# Altium PCB EVK-NORA-W1.PcbDoc (part 4 of 4)
Units mil, origin at the board's own origin, x right, y up, seen from the top; angles counter-clockwise.
Board outline 4300 x 2200 mil, 4 copper layers (L1, L2, L3, L4), stack 60.631 mil thick; 303 components, 180 nets, 998 pads, 676 vias.
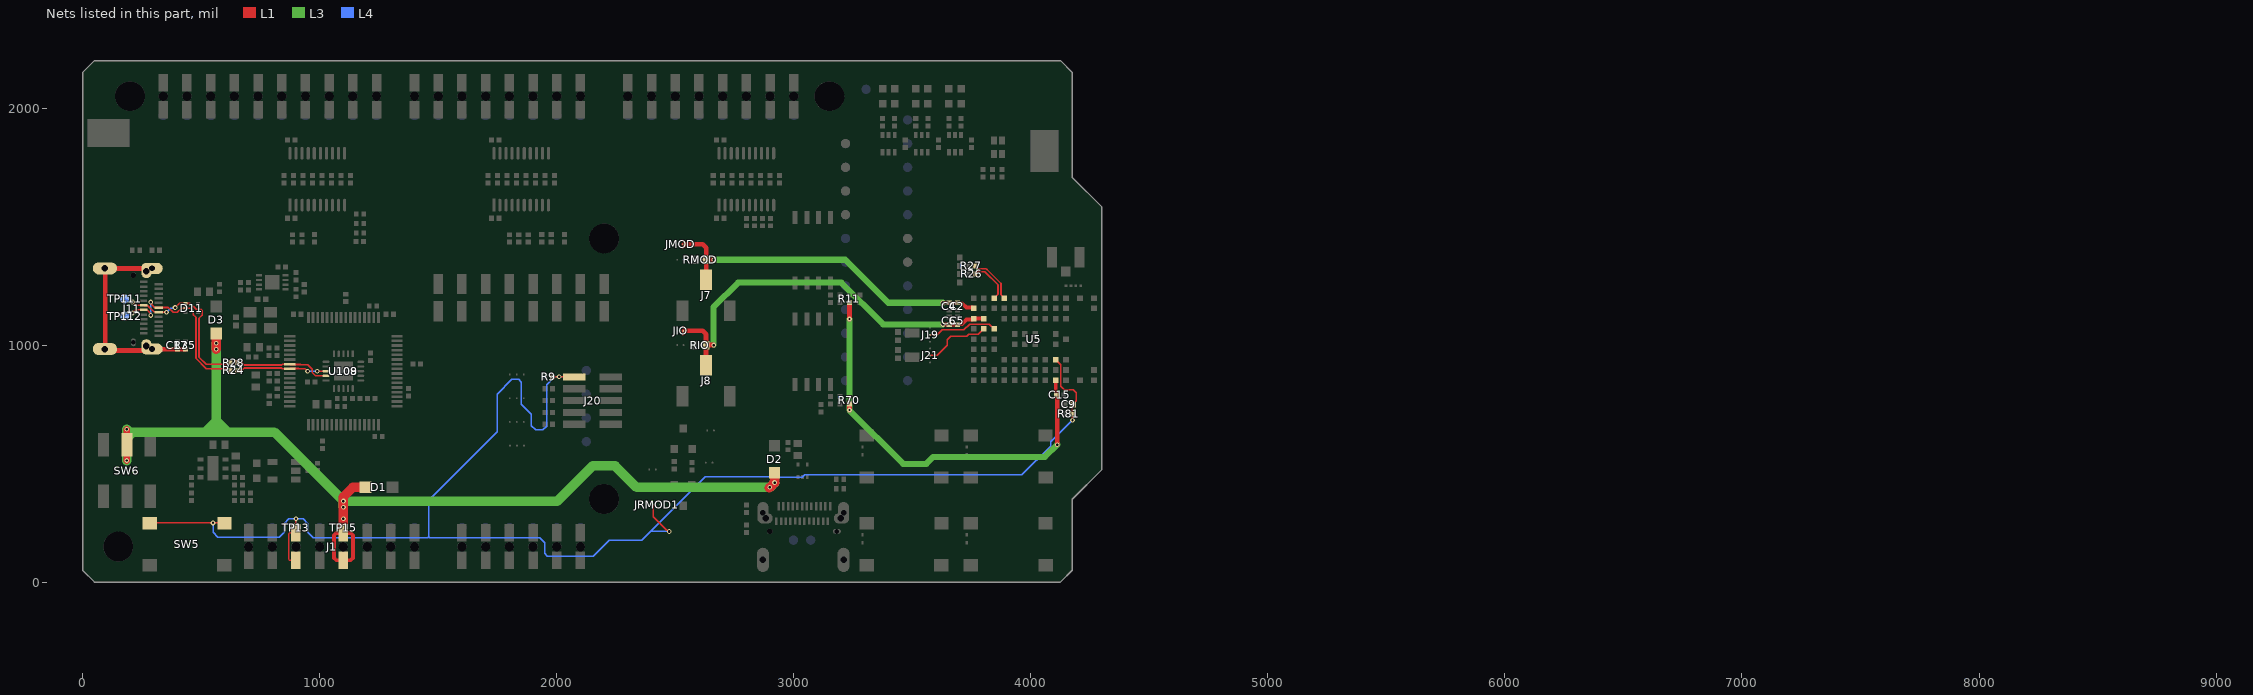
[diagram p6: the nets of this part, all layers, seen from the top]

## Via types
v1: diameter 20, hole 10, L1 to L4, 454 vias
v2: diameter 20, hole 10, L1 to L4, tented both sides, 203 vias
v3: diameter 19.68/19.68/19.68/19.68 (per signal layer), hole 11.81, L1 to L4, 19 vias

## Nets (pads, with @x,y where several pads share a name; then routed paths per layer and width w, separated by ;. In a path a pad name is that pad's centre, name@x,y a point inside that pad or via, vN(x,y) a via of type N, cw(c..) or ccw(c..) an arc to the next point about the centre after c; other vN are vias at no path point) (continued)
RESETn: C9.1 J1.3 J20.10 JRMOD1.1 R9.2 R81.1 SW5.1 SW5.2 TP13.1 U5.J3 | length 6690
  L1 w5.91: SW5.1@282.52,248.58 283.94,250 v2(550,250) 596.06,250 SW5.2@597.48,248.58 ; J1.3@900,92.32 872.46,92.32 869,95.78 869,204.22 872.46,207.68 J1.3@900,207.68 v1(900,267) ; R9.2@1981.75,866 v1(2010,866) J20.10@2074.23,866 ; JRMOD1.1@2407,327 2407,276 2464.68,218.32 2466.95,218.32 2471.27,214 v3(2475,214) ; U5.J3@4104.92,938.39 4126.82,916.48 4126.82,827.18 4142,812 4178,812 4192,798 4192,764.28 4175.75,748.03 R81.1@4175.75,710 v1(4175.75,683)
  L4 w5.91: v2(550,250) 550,210 571,189 829,189 850,210 850,247 870,267 v1(900,267) ; TP13.1@900,230.32 v1(900,267) ; v1(2010,866) 1989.78,866 1957,833.22 1957,657 1942,642 1911.14,642 1892.81,660.33 1892.81,708.56 1851,750.37 1851,843.77 1839.77,855 1811,855 1748.06,792.06 1748.06,634.05 1460,346 1460,191 ; v3(2475,214) 2396,214 ; v1(4175.75,683) 4084,591.25 4084,574.3 3962.56,452.86 3046.86,452.86 3036.28,442.28 2931.72,442.28 2930,444 2626,444 2396,214 ; v1(900,267) 930,267 950,247 950,210 973,187 1456,187 1460,191 ; 1460,191 1464,187 1929,187 1950,166 1950,121 1961,110 2154,110 2221,177 2359,177 2396,214
RMODUSB-D_n: R27.2 U5.D9 | length 207.9
  L1 w7: R27.2@3764.75,1334 3764.75,1333.41 3771.48,1326.67 3772.07,1326.67 3776.06,1322.69 3811.24,1322.69 3814.93,1319 3874.25,1259.68 3874.25,1212.36 U5.D9@3888.39,1198.23
RMODUSB-D_p: R26.2 U5.C9 | length 185.6
  L1 w7: R26.2@3765.75,1300 3765.75,1300.59 3772.48,1307.33 3774.23,1307.33 3776.58,1309.69 3805.86,1309.69 3861.25,1254.29 3861.25,1214.4 U5.C9@3845.08,1198.23
RUSB-D_n: R28.1 U108.7 U109.9 | length 406.8
  L1 w7: R28.1@653.75,926 672,926 681.82,916.18 839.5,916.18 842.85,919.53 U108.7@873.62,919.53 874.88,918.27 918.86,918.27 920.12,917.01 949.43,917.01 968.41,898.04 968.41,884.15 982.24,870.32 U109.9@1026.56,870.32
RUSB-D_p: R24.1 U108.8 U109.8 | length 383.5
  L1 w7: R24.1@653.75,893 672,893 682.18,903.18 839.32,903.18 842.66,899.84 U108.8@873.62,899.84 874.88,901.1 911.75,901.1 913,899.84 938.4,899.84 948.24,890 v1(949,890) ; v1(990,890) U109.8@1026.56,890
  L4 w7: v1(949,890) v1(990,890)
SHIELD: C17.2 J11.SHLD R35.1 | length 873.8
  L1 w20: J11.SHLD@93.92,983.28 95.53,984.89 95.53,1321.82 93.92,1323.43 J11.SHLD@292.74,1323.43 ; J11.SHLD@105.08,983.28 111,977.35 257.79,977.35 J11.SHLD@263.71,983.28 ; J11.SHLD@269.12,996.26 281.91,983.46 J11.SHLD@292.74,983.46 293.61,982.6 C17.2@399.43,982.6 R35.1@433.43,982.6
USB-D_n: D11.1 J11.A7 J11.B7 R28.2 TP111.1 | length 726.6
  L1 w7: v1(210,1181.46) 223.16,1168.31 J11.B7@257.31,1168.31 ; J11.B7@257.31,1168.12 259.12,1166.3 275.05,1166.3 300.95,1140.41 318.48,1140.41 320.3,1138.59 v1(354,1138.59) ; v1@390,1159.2 v1(390,1158.28) 407.41,1175.68 D11.1@433.43,1175.68 454.62,1175.68 478.68,1151.63 499.33,1151.63 504.84,1146.12 504.84,1126.51 499.33,1121 498.04,1121 491,1113.96 491,949.38 521.38,919 615.52,919 622.25,925.74 R28.2@622.25,926
  L4 w7: TP111.1@177.16,1194.88 v1(210,1181.46) ; v1(354,1138.59) 371.2,1155.79 387.51,1155.79 v1(390,1158.28)
USB-D_p: D11.2 J11.A6 J11.B6 R24.2 TP112.1 | length 772.2
  L1 w7: v1(210,1135.46) 223.16,1148.62 J11.B6@257.31,1148.62 ; J11.B6@257.31,1148.43 259.12,1146.62 273.74,1146.62 285.33,1135.02 285.33,1127.84 v1(287.82,1125.35) ; v1(287.82,1181.35) 290.31,1178.87 290.31,1172 302.21,1160.09 318.48,1160.09 320.3,1158.28 361.76,1158.28 381.73,1138.31 399.1,1138.31 416.79,1156 D11.2@433.43,1156 455.31,1156 467,1144.31 467,1127.82 473.82,1121 473.9,1121 478,1116.9 478,944 522,900 615.52,900 622.25,893.26 R24.2@622.25,893
  L4 w7: TP112.1@177.16,1122.05 v1(210,1135.46) ; v1(287.82,1125.35) v1(287.82,1181.35)
VBUS: D1.C D2.C D3.C J1.5 SW6.2 TP15.1 | length 4560.7
  L1 w16: 1060,102 1060,197.63 1070.05,207.68 J1.5@1100,207.68 1130.32,207.68 1140,198 1140,101.78 1130.54,92.32 J1.5@1100,92.32 1069.68,92.32 1060,102
  L1 w28: v1(186.61,513) SW6.2@186.61,578.94 v1(186.61,645)
  L1 w40: v1(564,982) v1(564,1008) D3.C@564,1048.91 ; J1.5@1100,207.68 v1(1100,267) v1(1100,316) v1(1100,342) 1100,360.22 1139.78,400 D1.C@1192.91,400 ; v1@2897,398.27 2897.27,398.27 v1(2899,400) v1(2919,420) D2.C@2919,460.91
  L3 w40: v1(186.61,513) 186.61,607.61 ; v1(564,1008) 564,680 ; v1@1100,318 v1(1100,342) ; v1(2919,420) v1(2899,400) 2337,400 2246.5,490.5 2191,490.5 2151,490.5 2002.5,342 v1(1100,342) ; 186.61,607.61 v1(186.61,645) 198.61,633 212,633 ; 186.61,607.61 212,633 ; 212,633 517,633 ; 517,633 564,680 ; 517,633 611,633 ; 564,680 611,633 ; 611,633 809,633 v1(1100,342)
  L4 w10: TP15.1@1100,225 TP15.1@1100,230.32 v1(1100,267)
VDD: C2.1 C4.1 J7.2 JMOD.1 RMOD.2 U5.A8 | length 1449.8
  L1 w16: JMOD.1@2535,1425 2541.87,1425 ; J7.2@2630,1274.96 J7.2@2630.59,1275.55 ; v1(3629,1178.75) C4.1@3656,1178.75 C2.1@3690,1178.75 3692.24,1176.51 3710.49,1176.51 3729,1158 3755.39,1158 U5.A8@3758.46,1154.92
  L1 w20: 2541.87,1425 2615.4,1425 2630.59,1409.81 RMOD.2@2630.59,1360 ; J7.2@2630.59,1275.55 RMOD.2@2630.59,1360 ; v1(2662,1360) RMOD.2@2630.59,1360
  L3 w26: v1(2662,1360) 3217,1360 3398.25,1178.75 v1(3629,1178.75)
VDD-IO: C5.1 C6.1 J8.2 JIO.1 RIO.2 U5.A7 U5.B7 | length 1691
  L1 w16: JIO.1@2535,1060 2541.87,1060 ; v1(3629,1087.25) C6.1@3656,1087.25 C5.1@3690,1087.25 3692.24,1089.49 3710.49,1089.49 3729,1108 3754.85,1108 U5.A7@3758.46,1111.61 U5.B7@3801.77,1111.61
  L1 w20: 2541.87,1060 2615.4,1060 2630,1045.4 2630,1000.41 RIO.2@2629.59,1000 ; J8.2@2630,914.96 2630,999.59 RIO.2@2629.59,1000 ; v1(2662,1000) RIO.2@2629.59,1000
  L3 w26: v1(2662,1000) 2662,1161 2765,1264 3201,1264 3377.75,1087.25 v1(3629,1087.25)
VDD-SPI: C15.1 R11.1 R70.1 U5.J1 | length 1760.4
  L1 w16: C15.1@4104.92,787.83 U5.J1@4104.92,851.77
  L1 w20: v1(3235,726) R70.1@3235,752.25 ; v1(3235,1110) R11.1@3235,1180.25 ; C15.1@4107.25,790 4107.49,789.76 4107.49,782.84 4111.59,778.74 v1(4111.59,580)
  L3 w26: v1(3235,1110) v1(3235,726) 3462,499 3559,499 3588,528 4059.59,528 v1(4111.59,580)
XT-32k-n: J21.2 U5.B6 | length 286.5
  L1 w5.91: J21.2@3575,956.53 3604.59,956.53 3648,999.94 3648,1022.59 3661.99,1036.58 3730,1036.58 3739.09,1045.67 3773.94,1045.67 3774.09,1045.52 3778.99,1045.52 U5.B6@3801.77,1068.31
XT-32k-p: J19.2 U5.C6 | length 297.5
  L1 w5.91: J19.2@3575,1043.47 3604.59,1043.47 3626.11,1065 3717.62,1065 3741.6,1088.98 3824.41,1088.98 U5.C6@3845.08,1068.31
pads on no net: D11.4 D14.4 J11.26 J11.A2 J11.A3 J11.A8 J11.A10 J11.A11 J11.B2 J11.B3 J11.B8 J11.B10 J11.B11 J14.26 J14.A2 J14.A3 J14.A8 J14.A10 J14.A11 J14.B2 J14.B3 J14.B8 J14.B10 J14.B11 J20.7 SW6.3 SW6.4 SW6.5 SW6.6 TP601.1 TP602.1 TP604.1 TP606.1 TP608.1 TP610.1 TP611.1 TP613.1 TP615.1 TP616.1 TP617.1 TP618.1 TP619.1 TP620.1 TP621.1 TP622.1 TP623.1 TP624.1 U5.A4 U5.B5 U5.B9 U5.C5 U5.D7 U5.G4 U5.G5 U5.G7 U5.J4 U5.J5 U5.J7 U5.K1 U6.4 U101.7 U107.7 U108.21 U108.24 U108.33 U108.34 U108.36 U108.45 U108.46 U108.60 U109.2 U109.5 U109.7 U109.14 U109.15
copper on no net: | length 8120
  L1 w7.87: 8051.71,845.48 8971.71,845.48 8971.71,940.48 8051.71,940.48 8051.71,845.48
  L2 w7.87: 8051.71,725.48 8971.71,725.48 8971.71,820.48 8051.71,820.48 8051.71,725.48
  L3 w7.87: 8051.71,605.48 8971.71,605.48 8971.71,700.48 8051.71,700.48 8051.71,605.48
  L4 w7.87: 8051.71,490.48 8971.71,490.48 8971.71,585.48 8051.71,585.48 8051.71,490.48
  other v2: 2540,1270

## Polygon pours and split planes (outlines as drawn)
GND on L2 "GND_L02_P-001" (solid, remove dead copper, pour order 1): 0,2150 50,2200 4125,2200 4175,2150 4175,1707 4300,1582 4300,475 4175,350 4175,50 4125,0 50,0 0,50
GND on L4 "GND_L04_P-001" (solid, remove dead copper, pour order 3): 0,2150 50,2200 4125,2200 4175,2150 4175,1707 4300,1582 4300,475 4175,350 4175,50 4125,0 50,0 0,50
+3V3 on L3 "+3V3_L03_P-001" (solid, remove dead copper, pour order 0): 0,2150 50,2200 4125,2200 4175,2150 4175,1707 4300,1582 4300,475 4175,350 4175,50 4125,0 50,0 0,50
GND on L1 "GND_L01_P-001" (solid, remove dead copper, pour order 2): 0,2150 50,2200 4125,2200 4175,2150 4175,1707 4300,1582 4300,475 4175,350 4175,50 4125,0 50,0 0,50

## Keep-outs
Keep-Out Layer:
  rectangle: 8051.71,-225.52 8241.71,-130.52
  lines w7.87: 8971.71,-225.52 8051.71,-225.52 8051.71,-130.52 8971.71,-130.52
  text "Routing Keepout Layer" at 8311.71,-198.52 h40

## Other copper
L1:
  rectangle: 8051.71,845.48 8241.71,940.48
  pour cut-out: 4110.24,1413.39 4116.24,1419.39 4179.04,1419.39 4185.04,1413.39 4185.04,1295.36 4163.98,1274.29 4163.98,1219 4169,1213.98 4169,1182.46 4165,1177.46 4132.46,1177.46 4127.46,1182.46 4127.46,1213.98 4132.48,1219 4132.48,1274.29 4110.24,1295.36
  text ".Layer_Name" at 8311.71,872.48 h40
L2:
  rectangle: 8051.71,725.48 8241.71,820.48
  text ".Layer_Name" at 8311.71,752.48 h40
L3:
  rectangle: 8051.71,605.48 8241.71,700.48
  text ".Layer_Name" at 8311.71,632.48 h40
L4:
  rectangle: 8051.71,490.48 8241.71,585.48
  text ".Layer_Name" at 8311.71,517.48 h40
Multi-Layer:
  rectangle: 8051.71,-345.52 8241.71,-250.52
  lines w7.87: 8051.71,-345.52 8971.71,-345.52 8971.71,-250.52 8051.71,-250.52 8051.71,-345.52
  text "Multilayer" at 8311.71,-318.52 h40

## Silkscreen, mask and mechanical layers (free items; w line width, h text height)
Top Overlay:
  circle w10: c549,383 r5.1
  rectangle: 8051.71,1081.48 8241.71,1176.48
  lines w5: 37.9,301.14 37.9,368.48 ; 365.36,370.66 365.36,303.32 ; 2002,913.44 2341.37,913.44 ; 37.9,368.48 31.65,350.13 44.15,350.13 37.9,368.48 ; 365.36,303.32 359.1,321.67 371.61,321.67 365.36,303.32
  lines w7.87: 8051.71,1081.48 8051.71,1176.48 8971.71,1176.48 8971.71,1081.48 8051.71,1081.48
  lines w10: 4109,552 4122,565 4122,539 4111,550 4150,550
  text "TxD" at 3387.05,2110 h40 r90
  text "RxD" at 3438.23,2110 h40 r90
  text "RTS" at 3527.05,2110 h40 r90
  text "CTS" at 3578.23,2110 h40 r90
  text "DTR" at 3667.05,2110 h40 r90
  text "DSR" at 3718.23,2110 h40 r90
  text "GND" at 20,1972 h60
  text "RGB1 / GREEN: GPIO2 / RED: GPIO5 / BLUE: GPIO8" at 3821.04,1916.02 h40
  text "NC." at 558.8,1872.2 h60 r90
  text "TxD" at 2018.8,1861.75 h60 r90
  text "RxD" at 2118.8,1859.25 h60 r90
  text "GPIO4" at 1812.52,1854.42 h40 r90
  text "GND" at 658.8,1848.65 h60 r90
  text "GPIO35" at 952.52,1838.67 h40 r90
  text "GPIO46" at 1912.52,1838.8 h40 r90
  text "GPIO47" at 2752.52,1839.07 h40 r90
  text "GPIO48" at 2812.52,1839.07 h40 r90
  text "GPIO18" at 2912.52,1839.07 h40 r90
  text "GPIO34" at 1052.52,1838.47 h40 r90
  text "GPIO1" at 2515.64,1838.08 h50 r90
  text "GPIO39" at 3074.13,1837.48 h40
  text "GPIO6" at 2415.64,1833.5 h50 r90
  text "GPIO7" at 2615.64,1833.84 h50 r90
  text "GPIO17" at 3015.64,1813.91 h50 r90
  text "GPIO0" at 358.8,1812.65 h60 r90
  text "GPIO2" at 1618.8,1812.65 h60 r90
  text "GPIO45" at 2315.64,1813.41 h50 r90
  text "GPIO3" at 1703.8,1812.3 h60 r90
  text "GPIO21" at 458.8,1793.55 h60 r90
  text "GPIO10" at 1418.8,1788.7 h60 r90
  text "GPIO36" at 758.8,1788.05 h60 r90
  text "GPIO37" at 843.8,1788.45 h60 r90
  text "GPIO38" at 1158.8,1788.45 h60 r90
  text "GPIO33" at 1258.8,1788.35 h60 r90
  text "GPIO14" at 1518.8,1787.55 h60 r90
  text "TxD <= GPIO43" at 2025,1775 h50
  text "GND" at 4160,1774 h60 r90
  text "GPIO40" at 3074.23,1737.48 h40
  text "RxD => GPIO44" at 2025,1730 h50
  text "RTS <= GPIO45" at 2025,1685 h50
  text "CTS => GPIO6" at 2025,1640 h50
  text "GPIO41" at 3077.46,1637.48 h40
  text "DTR <= GPIO1" at 2025,1595 h50
  text "I2C-SDA <=> GPIO18" at 2300,1595 h50
  text "DSR => GPIO7" at 2025,1550 h50
  text "I2C-SCL <= GPIO17" at 2300,1550 h50
  text "GPIO42" at 3267.23,1535.48 h40
  text "COM USB" at 65,1460.48 h70
  text "GPIO8" at 3535,1437.48 h40
  text "GPIO9" at 3535,1337.48 h40
  text "<VDD" at 2680,1285 h30
  text "u" at 4034,1256.62 h150 r90
  text ".Layer_Name" at 8311.71,1108.48 h40
  text "+3V3>" at 2350.04,1105 h30
  text "<GND" at 2800,1105 h30
  text "Quad SPI  / FLASH/PSRAM" at 3397,994 h50 r90
  text "Module Current / Sense" at 2658,958.88 h55
  text "DEBUG" at 2124,957.55 h60
  text "<VDD-IO" at 2680,925 h30
  text "+3V3>" at 2350.04,745 h30
  text "<GND" at 2800,745 h30
  text "BUTTON1:GPIO46" at 3280,675 h60
  text "BUTTON2:GPIO0" at 3720,675 h60
  text "<OFF ON>" at 49,634 h75
  text "BOOT" at 4161,530 h60
  text "BUTTON3:GPIO47" at 3280,305 h60
  text "BUTTON4:GPIO48" at 3720,305 h60
  text "RESET" at 418.66,299 h60 r90
  text "GPIO11" at 1618.8,280 h60 r90
  text "GPIO12" at 1718.8,280 h60 r90
  text "GPIO13" at 1818.8,280 h60 r90
  text "GPIO5" at 1918.8,280 h60 r90
  text "GPIO15" at 2018.8,280 h60 r90
  text "GPIO16" at 2118.8,280 h60 r90
  text "IOREF" at 818.8,265 h60 r90
  text "RESET" at 918.8,265 h60 r90
  text "+3v3" at 1018.53,265 h60 r90
  text "VBUS" at 1118.8,265 h60 r90
  text "GND" at 1218.8,265 h60 r90
  text "GND" at 1318.8,265 h60 r90
  text "+Vin" at 1418.8,265 h60 r90
  text "Power" at 39.93,253 h75
  text "MOD USB" at 2730.45,65 h60 r90
Bottom Overlay:
  drawing of 651 lines, arcs and shapes, not listed
  text "GND" at 4077.76,2044.29 h70 r90
  text "GND" at 258.24,1949 h70 r90
  text "GPIO35" at 958,1932 h60 r90
  text "GPIO36" at 760,1930 h60 r90
  text "GPIO37" at 859,1930 h60 r90
  text "GPIO34" at 1060,1930 h60 r90
  text "GPIO38" at 1160,1930 h60 r90
  text "GPIO33" at 1260,1930 h60 r90
  text "GPIO10" at 1420,1930 h60 r90
  text "GPIO14" at 1520,1930 h60 r90
  text "GPIO2" at 1620,1930 h60 r90
  text "GPIO3" at 1720,1930 h60 r90
  text "GPIO4" at 1820,1930 h60 r90
  text "GPIO46" at 1920,1930 h60 r90
  text "GPIO43/TxD" at 2020,1930 h60 r90
  text "GPIO44/RxD" at 2120,1930 h60 r90
  text "GPIO45/RTS" at 2320,1930 h60 r90
  text "GPIO6/CTS" at 2420,1930 h60 r90
  text "GPIO1/DTR" at 2520,1930 h60 r90
  text "GPIO7/DSR" at 2620,1930 h60 r90
  text "GPIO47" at 2720,1930 h60 r90
  text "GPIO48" at 2820,1930 h60 r90
  text "I2C-SDA" at 2920,1930 h60 r90
  text "I2C-SCL" at 3020,1930 h60 r90
  text "GPIO0" at 360,1920 h60 r90
  text "GPIO21" at 460,1920 h60 r90
  text "GND" at 660,1920 h60 r90
  text "NC." at 559,1918 h60 r90
  text "NORA-W1/2 / Evaluation Board" at 4146.65,1670.22 h100 r90
  text "NORA-W1/2" at 1134,1669 h90 r90
  text "GPIO" at 1243.26,1668.6 h78.5 r90
  text "0/BOOT" at 2443.92,1650 h70 r90
  text ".GlobalProjectLink" at 4010.83,1598.43 h75 r90
  text "15" at 1377.79,1595 h90 r90
  text "16" at 1527.79,1595 h90 r90
  text "43" at 1643.6,1595 h70 r90
  text "44" at 1723.98,1595 h70 r90
  text "45" at 1803.6,1595 h70 r90
  text "6" at 1883.6,1595 h70 r90
  text "1" at 1963.98,1595 h70 r90
  text "7" at 2043.6,1595 h70 r90
  text "46" at 2363.6,1595 h70 r90
  text "47" at 2523.98,1595 h70 r90
  text "48" at 2603.6,1595 h70 r90
  text "5" at 2741.22,1595 h70 r90
  text "2" at 2841.98,1595 h70 r90
  text "8" at 2941.6,1595 h70 r90
  text "Function" at 1243.26,1436 h78.5 r90
  text "XL1" at 1364.28,1350 h90 r90
  text "XL2" at 1528.27,1350 h90 r90
  text "TXD" at 1643.92,1350 h70 r90
  text "RXD" at 1723.92,1350 h70 r90
  text "RTS" at 1803.92,1350 h70 r90
  text "CTS" at 1883.92,1350 h70 r90
  text "DTR" at 1963.92,1350 h70 r90
  text "DSR" at 2043.92,1350 h70 r90
  text "Button 1" at 2363.6,1350 h70 r90
  text "Button 2" at 2443.6,1350 h70 r90
  text "Button 3" at 2523.6,1350 h70 r90
  text "Button 4" at 2603.6,1350 h70 r90
  text "LED R" at 2741.92,1350 h70 r90
  text "LED G" at 2841.92,1350 h70 r90
  text "LED B" at 2941.92,1350 h70 r90
  text "Jumper" at 1243.26,1106 h78.5 r90
  text "J19" at 1363.79,1005 h90 r90
  text "J21" at 1527.79,1005 h90 r90
  text "R22" at 1643.98,1005 h70 r90
  text "R20" at 1723.6,1005 h70 r90
  text "R29" at 1803.6,1005 h70 r90
  text "R23" at 1883.6,1005 h70 r90
  text "R32" at 1963.6,1005 h70 r90
  text "R30" at 2043.6,1005 h70 r90
  text "-" at 2357.86,1005 h70 r90
  text "-" at 2437.86,1005 h70 r90
  text "-" at 2517.86,1005 h70 r90
  text "-" at 2597.86,1005 h70 r90
  text "-" at 2735.86,1005 h70 r90
  text "-" at 2835.86,1005 h70 r90
  text "-" at 2935.86,1005 h70 r90
  text "UBXH60-0000895" at 4143.7,983.27 h45 r90
  text "TDI" at 2201.46,922 h50 r90
  text "TDO" at 2202,831 h50 r90
  text "GPIO" at 3480,793 h78.5 r90
  text "HW" at 1243.31,776 h78.5 r90
  text "MOD" at 2774.72,766.6 h70 r90
  text "SPI-CLK" at 3698.8,765.22 h60 r90
  text "MOD" at 2377.72,761.6 h70 r90
  text "SPI-CS0" at 3538.8,761.82 h60 r90
  text "MOD" at 1360.72,761.28 h70 r90
  text "SPI-CS1" at 3618.8,759.4 h60 r90
  text "MOD" at 1998.74,758.3 h70 r90
  text "SPI-WP" at 3938.8,754.75 h60 r90
  text "SPI-HD" at 4018.8,751.03 h60 r90
  text "SPI-Q" at 3857.23,737.5 h60 r90
  text "SPI-D" at 3778.8,735.5 h60 r90
  text "USB COM" at 1730,735 h70 r90
  text "TCK" at 2202.64,726 h50 r90
  text "PIN" at 2949,696.6 h70 r90
  text "PIN" at 2597,691.6 h70 r90
  text ".GlobalProjectRevision" at 4209.65,659.45 h45 r90
  text "TMS" at 2202,628 h50 r90
  text "+3V3" at 2677.95,575 h70 r90
  text "FNC" at 3480,557 h78.5 r90
  text "__ / CS-U2" at 3559.7,542.45 h60 r90
  text "__ / CS-U1" at 3639.7,540.03 h60 r90
  text "PIN" at 1995.73,538.69 h70 r90
  text "PIN" at 1312,530 h70 r90
  text "DIO0" at 3778.8,527.6 h60 r90
  text "DIO2" at 3938.8,527.6 h60 r90
  text "DIO3" at 4018.8,527.78 h60 r90
  text "DIO1" at 3858.8,525.18 h60 r90
  text "CLK" at 3698.8,523.15 h60 r90
  text "IOREF" at 818.8,428 h60 r90
  text "RESETn" at 915.64,428 h50 r90
  text "+3V3" at 1018.53,428 h60 r90
  text "VBUS" at 1118.8,428 h60 r90
  text "GND" at 1218.8,428 h60 r90
  text "GND" at 1318.8,428 h60 r90
  text "+Vin" at 1418.8,428 h60 r90
  text "GPIO11" at 1618.8,428 h60 r90
  text "GPIO12" at 1718.8,428 h60 r90
  text "GPIO13" at 1818.8,428 h60 r90
  text "GPIO5" at 1918.8,428 h60 r90
  text "GPIO15" at 2018.8,428 h60 r90
  text "GPIO16" at 2118.8,428 h60 r90
  text "NC." at 718,427 h60 r90
  text "HW" at 3480,387 h78.5 r90
  text "MOD" at 3640.72,366.3 h70 r90
  text ".Layer_Name" at 8311.71,281.48 h40
  text "RoHS" at 363,275 h100
  text "QSPI / FLASH" at 3928,267.02 h70 r90
Top Paste:
  rectangle: 8051.71,1199.48 8241.71,1294.48
  lines w7.87: 8051.71,1199.48 8971.71,1199.48 8971.71,1294.48 8051.71,1294.48 8051.71,1199.48
  text ".Layer_Name" at 8311.71,1226.48 h40
Bottom Paste:
  rectangle: 8051.71,136.48 8241.71,231.48
  lines w7.87: 8051.71,136.48 8971.71,136.48 8971.71,231.48 8051.71,231.48 8051.71,136.48
  text ".Layer_Name" at 8311.71,163.48 h40
Top Solder:
  rectangle: 8051.71,963.48 8241.71,1058.48
  lines w7.87: 8051.71,963.48 8051.71,1058.48 8971.71,1058.48 8971.71,963.48 8051.71,963.48
  text ".Layer_Name" at 8311.71,990.48 h40
Bottom Solder:
  rectangle: 8051.71,372.48 8241.71,467.48
  lines w7.87: 8051.71,372.48 8971.71,372.48 8971.71,467.48 8051.71,467.48 8051.71,372.48
  text ".Layer_Name" at 8311.71,399.48 h40
Drill Guide:
  rectangle: 8051.71,18.48 8241.71,113.48
  lines w7.87: 8051.71,18.48 8051.71,113.48 8971.71,113.48 8971.71,18.48 8051.71,18.48
  text ".Layer_Name" at 8311.71,45.48 h40
Route Tool Path:
  rectangle: 8051.71,2262 8241.71,2357
  lines w5.98: 0,950 0,50 50,0 2836.06,0 ; 0,1360 0,2150 50,2200 4125,2200 4175,2150 4175,1707 4300,1582 4300,475 4175,350 4175,50 4125,0 3246.06,0
  lines w6: 0,950 0,1360 ; 2834.97,0 3246,0
  lines w7.87: 8051.71,2262 8051.71,2357 8971.71,2357 8971.71,2262 8051.71,2262
  text ".Layer_Name" at 8311.71,2289 h40
Border & Title:
  drawing of 58 lines, arcs and shapes, not listed
  text "1" at -218.9,6914.36 h70
  text "2" at 2531.76,6914.36 h70
  text "3" at 5276.76,6914.36 h70
  text "4" at 8027.77,6914.36 h70
  text "REVISION" at 7280,6682 h80
  text "REV" at 5870,6512 h60
  text "DESCRIPTION" at 6300,6512 h60
  text "DATE" at 8260,6512 h60
  text "BY" at 8890,6512 h60
  text ".ReleaseRev1" at 5870,6362 h50
  text ".ReleaseDesc1" at 6300,6362 h50
  text ".ReleaseBy1" at 8840,6362 h50
  text ".ReleaseDate1" at 8180,6352 h50
  text ".ReleaseRev2" at 5870,6212 h50
  text ".ReleaseDesc2" at 6300,6212 h50
  text ".ReleaseDate2" at 8180,6212 h50
  text ".ReleaseBy2" at 8840,6212 h50
  text ".ReleaseRev3" at 5870,6062 h50
  text ".ReleaseDesc3" at 6300,6062 h50
  text ".ReleaseDate3" at 8180,6062 h50
  text ".ReleaseBy3" at 8840,6062 h50
  text ".ReleaseRev4" at 5870,5911.8 h50
  text ".ReleaseDesc4" at 6300,5911.8 h50
  text ".ReleaseDate4" at 8180,5911.8 h50
  text ".ReleaseBy4" at 8840,5911.8 h50
  text "A" at -1495.24,5896.36 h70
  text "A" at 9304.76,5896.36 h70
  text ".ReleaseRev5" at 5870,5761.8 h50
  text ".ReleaseDesc5" at 6300,5761.8 h50
  text ".ReleaseDate5" at 8180,5761.8 h50
  text ".ReleaseBy5" at 8840,5761.8 h50
  text "B" at -1495.24,3771.36 h70
  text "B" at 9304.76,3771.36 h70
  text "LAYER USAGE" at 8101.71,2412.48 h80
  text "C" at -1495.24,1646.36 h70
  text "C" at 9304.76,1646.36 h70
  text "D" at -1495.24,-473.64 h70
  text "D" at 9304.76,-473.64 h70
  text "PROJECT:" at 6257.76,-601.64 h50
  text "ENGINEER:" at 4741.76,-602.64 h50
  text ".ProjectEngineer" at 5200,-668 h70
  text ".GlobalProjectName" at 6690,-668 h80
  text "PCB NAME:" at 6252.76,-815.64 h50
  text "DATE:" at 4744.76,-819.64 h50
  text "REV:" at 8351.76,-828.64 h50
  text ".GlobalProjectRevision" at 8637.17,-903.24 h80
  text ".GlobalReleaseDate" at 5030,-908 h70
  text ".PCBName" at 6690,-908 h80
  text "DWG NO:" at 4750,-1068 h50
  text "FILE NAME:" at 6250,-1068 h50
  text "SCALE:" at 8346.76,-1075.64 h50
  text "CONFIDENTIAL" at 3584.34,-1151.72 h80
  text ".Pcb_File_Name_No_Path" at 6340,-1178 h60
  text "1:1" at 8689.76,-1182.64 h50
  text ".PCBDocNum" at 5010,-1188 h60
  text "1" at -218.9,-1385.64 h70
  text "2" at 2531.76,-1385.64 h70
  text "3" at 5276.76,-1385.64 h70
  text "4" at 8027.77,-1385.64 h70
Fabrication Notes:
  drawing of 312 lines, arcs and shapes, not listed
  text "Fabrication Notes:" at -1220,6652 h70
  text "1. Fabricate to meet or exceed IPC 6011/6012 Class 2, as definied in IPC-2221" at -1220,6535.43 h50
  text "2. Prepreg Material: Material with TG >= 170, TD >= 340" at -1220.47,6417.32 h50
  text "3. Minimum trace width is 0.15mm, minimum spacing is 0.15mm" at -1220.47,6299.21 h50
  text "4. Board finish: Electroless Nickel, Immersion Gold (ENIG)" at -1220.47,6181.1 h50
  text "5. Flammability: Materials to meet UL94V-0 specification" at -1220.47,6062.99 h50
  text "6. Apply matte finish LPI Soldermask (Green) on both sides" at -1220.47,5944.88 h50
  text "7. Silkscreen on both sides using white epoxy ink or equivalent," at -1220.47,5826.77 h50
  text "registration to be 10mil, clear silkscreen from all exposed pads" at -1062.99,5708.66 h50
  text "4 Layer PCB 1.6mm +/- 10% Finished Thickness" at 3539.37,5595.47 h60
  text "8. The fabricated board shall be RoHS compliant" at -1220.47,5590.55 h50
  text "9. Supplier to add date code, flammability rating, UL marking, and lead-free marking" at -1220.47,5472.44 h50
  text "Layer" at 3590.09,5442 h60
  text "Name" at 4000,5442 h60
  text "Material" at 4929.74,5442 h60
  text "Thickness" at 6189.38,5442 h60
  text "Constant" at 6839.22,5442 h60
  text "Board Layer Stack" at 7409.08,5442 h60
  text "on bottom silkscreen in indicated area" at -1062.99,5354.33 h50
  text "Top Overlay" at 4000,5322 h60
  text "10. Individual PCBs to be smooth and free of any fiberglass shards or sharp features" at -1220.47,5236.22 h50
  text "Top Solder" at 4000,5202 h60
  text "Solder Resist" at 4929.74,5202 h60
  text "0,020mm" at 6189.38,5202 h60
  text "3.5" at 6839.22,5202 h60
  text "after de-paneling (singulation)" at -1062.99,5118.11 h50
  text "1" at 3590.09,5082 h60
  text "L1" at 4000,5082 h60
  text "0,035mm" at 6189.38,5082 h60
  text "Dielectric 1" at 4000,4962 h60
  text "Composite dielectric" at 4929.74,4962 h60
  text "0,150mm" at 6189.38,4962 h60
  text "3.8" at 6839.22,4962 h60
  text "2" at 3590.09,4842 h60
  text "L2" at 4000,4842 h60
  text "0,035mm" at 6189.38,4842 h60
  text "Core" at 4000,4722 h60
  text "Composite dielectric" at 4929.74,4722 h60
  text "1,100mm" at 6189.38,4722 h60
  text "4.3" at 6839.22,4722 h60
  text "3" at 3590.09,4602 h60
  text "L3" at 4000,4602 h60
  text "0,035mm" at 6189.38,4602 h60
  text "Dielectric 3" at 4000,4482 h60
  text "Composite dielectric" at 4929.74,4482 h60
  text "0,150mm" at 6189.38,4482 h60
  text "3.8" at 6839.22,4482 h60
  text "4" at 3590.09,4362 h60
  text "L4" at 4000,4362 h60
  text "0,035mm" at 6189.38,4362 h60
  text "Bottom Solder" at 4000,4242 h60
  text "Solder Resist" at 4929.74,4242 h60
  text "0,020mm" at 6189.38,4242 h60
  text "3.5" at 6839.22,4242 h60
  text "Bottom Overlay" at 4000,4122 h60
  text ".Layer_Name" at 8311.71,2175.48 h40
  text "Supplier to add" at 55.35,1726.15 h22
  text "date code," at 53.87,1694.53 h22
  text "flammability rating," at 53.87,1655.29 h22
  text "and Pb-free" at 50.49,1622 h22
  text "marking here" at 56.94,1590.58 h22
  text "No panel tabs /  in this area" at -728.35,1094 h50
  text "No panel tabs /  in this area" at 4509.84,920.28 h50
  text "No panel tabs /  in this area" at 2640.59,-255 h50
Rigid Outline:
  rectangle: 8051.71,2030.48 8241.71,2125.48
  lines w5.98: 0,950 0,50 50,0 2836.06,0 ; 0,1360 0,2150 50,2200 4125,2200 4175,2150 4175,1707 4300,1582 4300,475 4175,350 4175,50 4125,0 3246.06,0
  lines w6: 0,950 0,1360 ; 2836.06,0 3246.06,0
  lines w7.87: 8051.71,2030.48 8971.71,2030.48 8971.71,2125.48 8051.71,2125.48 8051.71,2030.48
  text ".Layer_Name" at 8311.71,2057.48 h40
Ref Des Top:
  circle w2: c2521.73,1000.22 r26.25
  circle w2: c2523,1060.22 r26.25
  circle w2: c2523.16,1424.25 r26.25
  circle w2: c2521.53,1360 r26.25
  rectangle: 8051.71,1912.48 8241.71,2007.48
  lines w2: 1801.5,663 1801.5,689 ; 1801.5,763 1801.5,789 ; 1801.5,863 1801.5,889 ; 1802.5,563 1802.5,589 ; 1832,663 1832,689 ; 1832,676 1858.36,676 ; 1832,763 1832,789 ; 1832,776 1858.36,776 ; 1832,863 1832,889 ; 1832,876 1858.36,876 ; 1833,563 1833,589 ; 1833,576 1859.36,576 ; 1858.36,663 1858.36,689 ; 1858.36,763 1858.36,789 ; 1858.36,863 1858.36,889 ; 1859.36,563 1859.36,589 ; 2508.35,1347 2508.35,1373 ; 2508.35,1360 2534.71,1360 ; 2508.56,987.22 2508.56,1013.22 ; 2508.56,1000.22 2534.91,1000.22 ; 2509.82,1047.22 2509.82,1073.22 ; 2509.98,1411.25 2509.98,1437.25 ; 2534.71,1347 2534.71,1373 ; 2534.91,987.22 2534.91,1013.22 ; 2536.18,1047.22 2536.18,1073.22 ; 2536.33,1411.25 2536.33,1437.25 ; 3562.25,929.43 3588.25,929.43 ; 3562.25,955.79 3588.25,955.79 ; 3562.25,986.29 3588.25,986.29 ; 3562.25,1013.15 3588.25,1013.15 ; 3562.25,1043.65 3588.25,1043.65 ; 3562.25,1070 3588.25,1070 ; 3575.25,929.43 3575.25,955.79 ; 3575.25,1043.65 3575.25,1070 ; 1785,676 ccw(c1809,676) 1809,652 1850.86,652 ccw(c1850.86,676) 1874.86,676 ccw(c1850.86,676) 1850.86,700 1809,700 ccw(c1809,676) 1785,676 ; 1785,776 ccw(c1809,776) 1809,752 1850.86,752 ccw(c1850.86,776) 1874.86,776 ccw(c1850.86,776) 1850.86,800 1809,800 ccw(c1809,776) 1785,776 ; 1785,876 ccw(c1809,876) 1809,852 1850.86,852 ccw(c1850.86,876) 1874.86,876 ccw(c1850.86,876) 1850.86,900 1809,900 ccw(c1809,876) 1785,876 ; 1786,576 ccw(c1810,576) 1810,552 1851.86,552 ccw(c1851.86,576) 1875.86,576 ccw(c1851.86,576) 1851.86,600 1810,600 ccw(c1810,576) 1786,576 ; 3551.25,936.93 ccw(c3575.25,936.93) 3575.25,912.93 ccw(c3575.25,936.93) 3599.25,936.93 3599.25,978.79 ccw(c3575.25,978.79) 3575.25,1002.79 ccw(c3575.25,978.79) 3551.25,978.79 3551.25,936.93 ; 3551.25,1020.65 ccw(c3575.25,1020.65) 3575.25,996.65 ccw(c3575.25,1020.65) 3599.25,1020.65 3599.25,1062.5 ccw(c3575.25,1062.5) 3575.25,1086.5 ccw(c3575.25,1062.5) 3551.25,1062.5 3551.25,1020.65
  lines w7.87: 8051.71,1912.48 8971.71,1912.48 8971.71,2007.48 8051.71,2007.48 8051.71,1912.48
  text ".Layer_Name" at 8311.71,1939.48 h40
  text "JMOD" at 2389.26,1414.08 h40
  text "JRMOD" at 2366.65,1349.08 h40
  text "JIO" at 2434.52,1049.08 h40
  text "J19" at 3632.21,1013.63 h40 r90
  text "JRIO" at 2411.91,989.08 h40
  text "J21" at 3632.21,930.76 h40 r90
  text "J18" at 1720,865.08 h40
  text "J17" at 1720,765.26 h40
  text "J16" at 1720,665.08 h40
  text "J15" at 1720,565.26 h40
  text "U101" at 484.63,475.03 h40 r90
  text "$Id: CDI_001_rigid_flex_v1.5.brd 3140 2014-06-26 15:58:28Z davisj $" at -6832.71,-2182.74 h10
Ref Des Bottom:
  rectangle: 8051.71,1792.48 8241.71,1887.48
  lines w7.87: 8051.71,1792.48 8971.71,1792.48 8971.71,1887.48 8051.71,1887.48 8051.71,1792.48
  text ".Layer_Name" at 8311.71,1819.48 h40
Assembly Top:
  circle w4: c446,1177 r8
  circle w4: c3016,456 r8
  circle w4: c2685,1580 r8
  circle w4: c1735,1580 r8
  circle w4: c845,1240 r8
  circle w4: c870,425 r8
  rectangle: 8051.71,1676.48 8241.71,1771.48
  lines w4: 530,1070 598,1070 ; 1214,366 1214,434 ; 2885,483 2953,483
  lines w7.87: 8051.71,1676.48 8051.71,1771.48 8971.71,1771.48 8971.71,1676.48 8051.71,1676.48
  text ".Layer_Name" at 8311.71,1703.48 h40
Assembly Bottom:
  rectangle: 8051.71,1558.48 8241.71,1653.48
  lines w7.87: 8051.71,1558.48 8051.71,1653.48 8971.71,1653.48 8971.71,1558.48 8051.71,1558.48
  text ".Layer_Name" at 8311.71,1585.48 h40
Courtyard Top:
  rectangle: 8051.71,1438.48 8241.71,1533.48
  lines w7.87: 8051.71,1438.48 8051.71,1533.48 8971.71,1533.48 8971.71,1438.48 8051.71,1438.48
  text ".Layer_Name" at 8311.71,1465.48 h40
Coutryard Bottom:
  rectangle: 8051.71,1318.48 8241.71,1413.48
  lines w7.87: 8051.71,1318.48 8051.71,1413.48 8971.71,1413.48 8971.71,1318.48 8051.71,1318.48
  text ".Layer_Name" at 8311.71,1345.48 h40
Drill Drawing:
  circle w10: c3573.82,2892.09 r17.45
  circle w10: c3573.82,2892.09 r29.09
  circle w10: c3573.82,2630.3 r29.09
  rectangle: 8051.71,-99.52 8241.71,-4.52
  lines w7.87: 8051.71,-99.52 8971.71,-99.52 8971.71,-4.52 8051.71,-4.52 8051.71,-99.52
  lines w10: 3544.74,2746.65 3559.28,2746.65 3573.82,2732.11 3588.37,2746.65 3602.91,2746.65 3588.37,2761.2 3602.91,2775.74 3588.37,2775.74 3573.82,2790.28 3559.28,2775.74 3544.74,2775.74 3559.28,2761.2 3544.74,2746.65 ; 3544.74,3052.07 3602.91,3052.07 3573.82,2993.9 3544.74,3052.07 ; 3544.74,3182.97 3602.91,3182.97 3573.82,3124.79 3544.74,3182.97 ; 3544.74,3284.77 3573.82,3255.68 3602.91,3284.77 3573.82,3313.86 3544.74,3284.77 ; 3544.74,3386.58 3602.91,3386.58 3602.91,3444.75 3544.74,3444.75 3544.74,3386.58 ; 3544.74,3517.47 3602.91,3517.47 3602.91,3575.65 3544.74,3575.65 3544.74,3517.47 ; 3544.74,3648.37 3544.74,3662.91 3559.28,3677.45 3544.74,3692 3544.74,3706.54 3559.28,3706.54 3573.82,3692 3588.37,3706.54 3602.91,3706.54 3602.91,3692 3588.37,3677.45 3602.91,3662.91 3602.91,3648.37 3588.37,3648.37 3573.82,3662.91 3559.28,3648.37 3544.74,3648.37 ; 3556.37,3040.44 3591.28,3040.44 3573.82,3005.53 3556.37,3040.44 ; 3556.37,3398.21 3591.28,3398.21 3591.28,3433.12 3556.37,3433.12 3556.37,3398.21
  lines w15: 3492.16,2561.95 7939.63,2561.95 ; 3492.16,3739.99 7939.63,3739.99 ; 3976.95,2431.05 3976.95,3870.89 ; 4589.95,2431.05 4589.95,3870.89 ; 5768.24,2431.05 5768.24,3870.89 ; 6213.75,2431.05 6213.75,3870.89 ; 6858.16,2431.05 6858.16,3870.89 ; 3492.16,2251.48 7939.63,2251.48 ; 3492.16,2251.48 3492.16,2513.27 ; 3492.16,2251.48 7939.63,2251.48 ; 3492.16,2251.48 3492.16,2513.27 ; 3492.16,2251.48 7939.63,2251.48 ; 3492.16,2251.48 3492.16,2513.27 ; 3492.16,2382.37 7939.63,2382.37 ; 3492.16,2382.37 7939.63,2382.37 ; 3492.16,2382.37 7939.63,2382.37 ; 3492.16,2382.37 7939.63,2382.37 ; 3492.16,2382.37 7939.63,2382.37 ; 3492.16,2382.37 7939.63,2382.37 ; 3492.16,2513.27 7939.63,2513.27 ; 3492.16,2513.27 7939.63,2513.27 ; 3492.16,2513.27 7939.63,2513.27 ; 3976.95,2251.48 3976.95,2513.27 ; 3976.95,2251.48 3976.95,2513.27 ; 3976.95,2251.48 3976.95,2513.27 ; 4589.95,2251.48 4589.95,2513.27 ; 4589.95,2251.48 4589.95,2513.27 ; 4589.95,2251.48 4589.95,2513.27 ; 5768.24,2251.48 5768.24,2513.27 ; 5768.24,2251.48 5768.24,2513.27 ; 5768.24,2251.48 5768.24,2513.27 ; 6213.75,2251.48 6213.75,2513.27 ; 6213.75,2251.48 6213.75,2513.27 ; 6213.75,2251.48 6213.75,2513.27 ; 6858.16,2251.48 6858.16,2513.27 ; 6858.16,2251.48 6858.16,2513.27 ; 6858.16,2251.48 6858.16,2513.27 ; 7939.63,2251.48 7939.63,2513.27 ; 7939.63,2251.48 7939.63,2513.27 ; 7939.63,2251.48 7939.63,2513.27 ; 3492.16,2431.05 7939.63,2431.05 7939.63,3870.89 3492.16,3870.89 3492.16,2431.05
  text "All drill holes and slots are +/- 5mil tolerance" at 3530,3935 h60
  text "Symbol" at 3570.7,3779.26 h62.83
  text "Hit Count" at 4016.22,3779.26 h62.83
  text "Finished Hole Size" at 4629.22,3779.26 h62.83
  text "Plated" at 5807.51,3779.26 h62.83
  text "Hole Type" at 6253.02,3779.26 h62.83
  text "Drill Layer Pair" at 6897.43,3779.26 h62.83
  text "657" at 4016.22,3648.37 h52.36
  text "10,00mil (0,254mm)" at 4629.22,3648.37 h52.36
  text "PTH" at 5807.51,3648.37 h52.36
  text "Round" at 6253.02,3648.37 h52.36
  text "L1 - L4" at 6897.43,3648.37 h52.36
  text "19" at 4016.22,3517.47 h52.36
  text "11,81mil (0,300mm)" at 4629.22,3517.47 h52.36
  text "PTH" at 5807.51,3517.47 h52.36
  text "Round" at 6253.02,3517.47 h52.36
  text "L1 - L4" at 6897.43,3517.47 h52.36
  text "2" at 4016.22,3386.58 h52.36
  text "19,69mil (0,500mm)" at 4629.22,3386.58 h52.36
  text "NPTH" at 5807.51,3386.58 h52.36
  text "Slot" at 6253.02,3386.58 h52.36
  text "L1 - L4" at 6897.43,3386.58 h52.36
  text "2" at 4016.22,3255.68 h52.36
  text "23,62mil (0,600mm)" at 4629.22,3255.68 h52.36
  text "NPTH" at 5807.51,3255.68 h52.36
  text "Round" at 6253.02,3255.68 h52.36
  text "L1 - L4" at 6897.43,3255.68 h52.36
  text "4" at 4016.22,3124.79 h52.36
  text "23,62mil (0,600mm)" at 4629.22,3124.79 h52.36
  text "PTH" at 5807.51,3124.79 h52.36
  text "Slot" at 6253.02,3124.79 h52.36
  text "L1 - L4" at 6897.43,3124.79 h52.36
  text "4" at 4016.22,2993.9 h52.36
  text "27,56mil (0,700mm)" at 4629.22,2993.9 h52.36
  text "PTH" at 5807.51,2993.9 h52.36
  text "Slot" at 6253.02,2993.9 h52.36
  text "L1 - L4" at 6897.43,2993.9 h52.36
  text "4" at 4016.22,2863 h52.36
  text "27,56mil (0,700mm)" at 4629.22,2863 h52.36
  text "PTH" at 5807.51,2863 h52.36
  text "Slot" at 6253.02,2863 h52.36
  text "L1 - L4" at 6897.43,2863 h52.36
  text "40" at 4016.22,2732.11 h52.36
  text "39,37mil (1,000mm)" at 4629.22,2732.11 h52.36
  text "NPTH" at 5807.51,2732.11 h52.36
  text "Round" at 6253.02,2732.11 h52.36
  text "L1 - L4" at 6897.43,2732.11 h52.36
  text "5" at 4016.22,2601.22 h52.36
  text "125,98mil (3,200mm)" at 4629.22,2601.22 h52.36
  text "NPTH" at 5807.51,2601.22 h52.36
  text "Round" at 6253.02,2601.22 h52.36
  text "L1 - L4" at 6897.43,2601.22 h52.36
  text "737 Total" at 4016.22,2470.32 h52.36
  text "Symbol" at 3570.7,2421.64 h62.83
  text "Symbol" at 3570.7,2421.64 h62.83
  text "Symbol" at 3570.7,2421.64 h62.83
  text "Hit Count" at 4016.22,2421.64 h62.83
  text "Hit Count" at 4016.22,2421.64 h62.83
  text "Hit Count" at 4016.22,2421.64 h62.83
  text "Finished Hole Size" at 4629.22,2421.64 h62.83
  text "Finished Hole Size" at 4629.22,2421.64 h62.83
  text "Finished Hole Size" at 4629.22,2421.64 h62.83
  text "Plated" at 5807.51,2421.64 h62.83
  text "Plated" at 5807.51,2421.64 h62.83
  text "Plated" at 5807.51,2421.64 h62.83
  text "Hole Type" at 6253.02,2421.64 h62.83
  text "Hole Type" at 6253.02,2421.64 h62.83
  text "Hole Type" at 6253.02,2421.64 h62.83
  text "Drill Layer Pair" at 6897.43,2421.64 h62.83
  text "Drill Layer Pair" at 6897.43,2421.64 h62.83
  text "Drill Layer Pair" at 6897.43,2421.64 h62.83
  text "Slot definitions :" at 3570.7,2341.27 h52.36
  text "Routed Path Length" at 4475.42,2341.27 h52.36
  text "= Calculated from tool start centre position to tool end centre position." at 5441.2,2341.27 h52.36
  text "Hole Length" at 4475.42,2251.48 h52.36
  text "= Routed Path Length + Tool Size = Slot length as defined in the PCB layout" at 5083.54,2251.48 h52.36
  text ".Layer_Name" at 8311.71,-72.52 h40

## Dimensions
50,0 to 50,2200 on Fabrication Notes
0,2150 to 4300,1582 on Fabrication Notes